# Altium PCB 1-quilter-input.PcbDoc (part 4 of 4)
Units mil, origin at the board's own origin, x right, y up, seen from the top; angles counter-clockwise.
Board outline 2728 x 2217 mil, 8 copper layers (L1_PS, L2_GND_1, L3_IN1, L4_GND_2, L5_PWR_1, L6_PWR_2, L7_GND_3, L8_SS), stack 46.1 mil thick; 230 components, 327 nets, 1592 pads, 586 vias.
Unrouted connection lines stored in the file: 713.
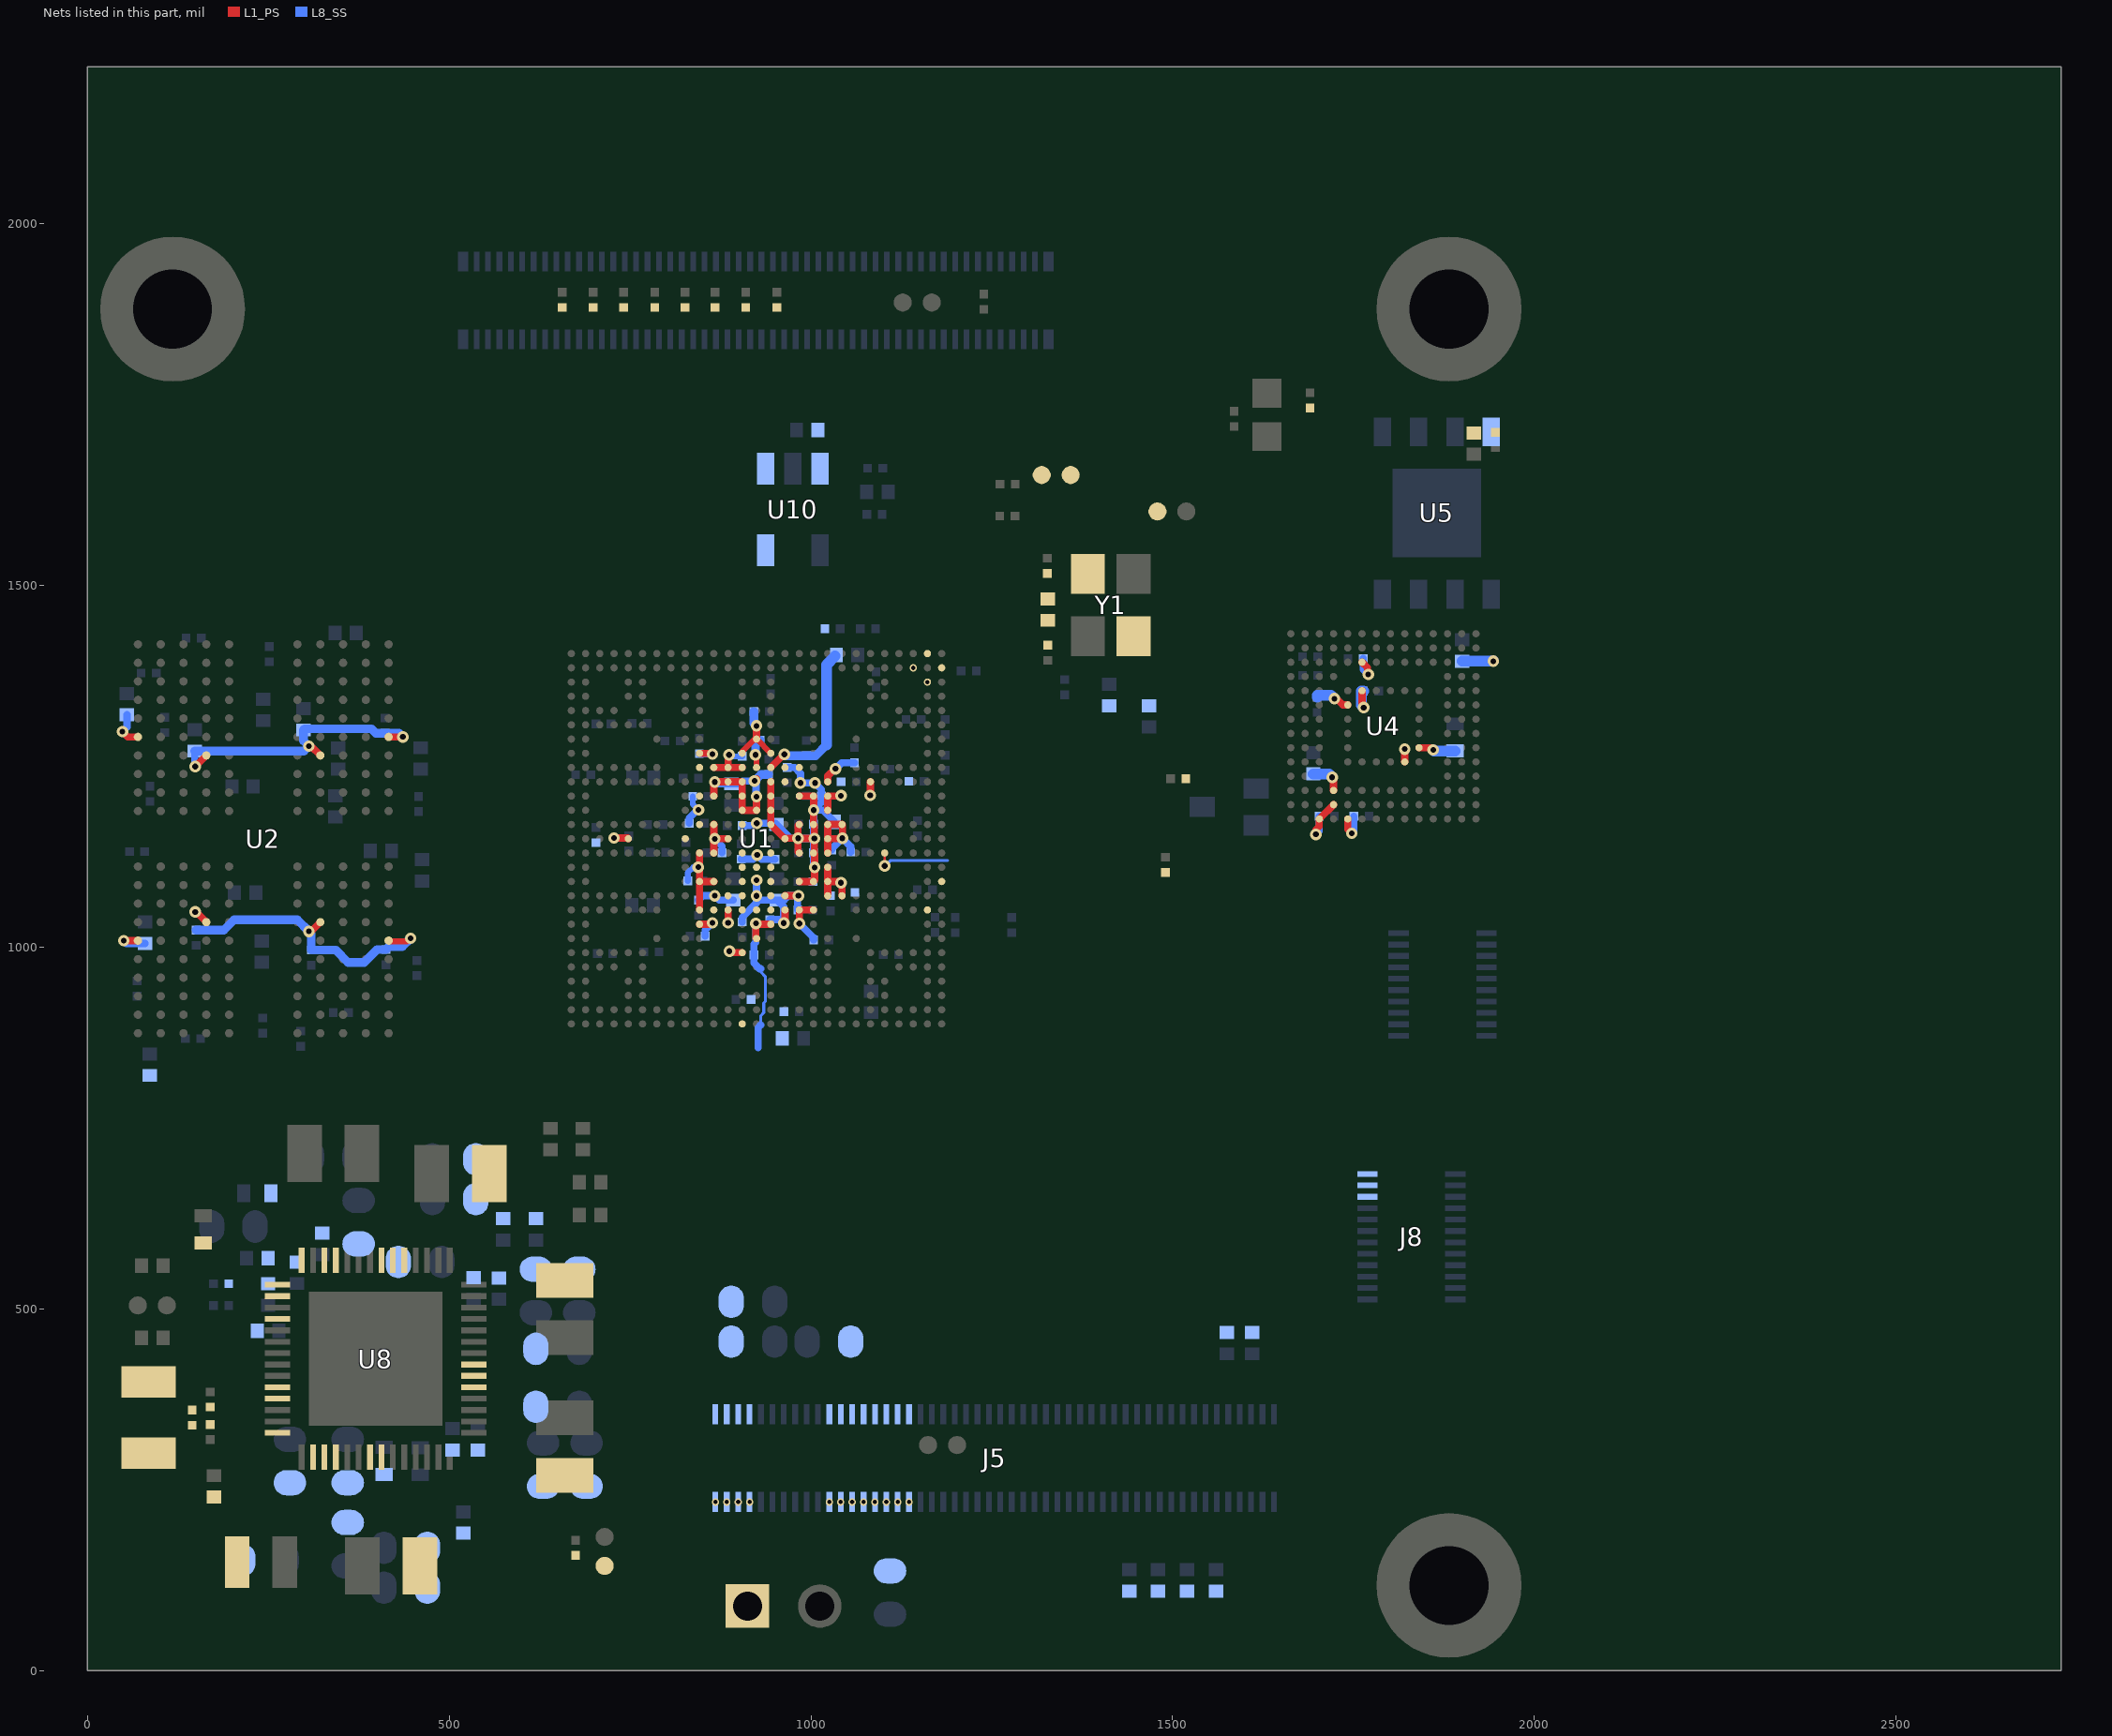
[diagram p5: the nets of this part, all layers, seen from the top]

## Via types
v1: diameter 16, hole 8, L1_PS to L8_SS, tented both sides, 329 vias
v2: diameter 10, hole 6, L1_PS to L8_SS, tented both sides, 205 vias
v3: diameter 16, hole 8, L1_PS to L8_SS, tented top, 52 vias

## Nets (pads, with @x,y where several pads share a name; then routed paths per layer and width w, separated by ;. In a path a pad name is that pad's centre, name@x,y a point inside that pad or via, vN(x,y) a via of type N, cw(c..) or ccw(c..) an arc to the next point about the centre after c; other vN are vias at no path point) (continued)
VDD_1V8: C3.1 C5.1 C21.1 C23.1 C105.1 C106.1 C108.1 C109.1 C130.1 C131.1 C132.1 C133.1 C138.1 C139.1 C241.1 C266.1 C317.1 C370.1 C371.1 C372.1 C384.1 C404.1 J5.22 J5.24 J5.26 J5.28 J5.30 J5.32 J5.34 J5.36 L13.2 R10.1 R11.1 R12.1 R13.1 R14.1 R15.1 R16.1 R17.1 R37.1 R47.2 R79.2 R106.1 R117.1 R118.1 U1.AB13 U1.J11 U1.J12 U1.J13 U1.L19 U1.M19 U1.T19 U1.U19 U1.V19 U1.V20 U1.W12 U2.F1 U2.F12 U2.G4 U2.G9 U2.T4 U2.T9 U2.U1 U2.U12 U4.C6 U4.M4 U4.N4 U4.P3 U4.P5 U5.8 U8.14 | length 1430.3
  L1_PS w8: U2.F1@416.56,1009.15 417.68,1008.03 442.48,1008.03 v1(446.83,1012.38)
  L1_PS w10: v1(48.72,1297.99) 56.06,1290.65 U2.U12@70.1,1290.65 ; v1(50.41,1009.15) U2.F12@70.1,1009.15 ; v1(149.27,1048.78) 150.55,1048.78 U2.G9@164.59,1034.74 ; v1(149.33,1249.8) U2.T9@164.59,1265.06 ; v1(306.32,1021.95) 309.28,1021.95 U2.G4@322.07,1034.74 ; v1(306.32,1277.85) 309.28,1277.85 U2.T4@322.07,1265.06 ; U2.U1@416.56,1290.65 v1(436.24,1290.65) ; U1.J11@865.83,1248.32 U1.J12@885.52,1248.32 ; U1.W12@885.52,1051.48 885.52,1033.7 v1(885.6,1033.62) ; v1(886.89,1265.9) 885.52,1264.53 U1.J12@885.52,1248.32 ; v1(887.49,994.6) 889.67,992.42 U1.AB13@905.21,992.42 ; U1.J13@905.21,1248.32 U1.J12@885.52,1248.32 ; U1.V19@1023.31,1071.16 U1.U19@1023.31,1090.84 ; U1.T19@1023.31,1110.53 U1.U19@1023.31,1090.84 ; U1.M19@1023.31,1189.27 U1.L19@1023.31,1208.96 1041.2,1208.96 v1(1041.61,1209.37) ; U1.V20@1043,1071.16 1043,1087.75 v1(1041.63,1089.12) 1039.91,1090.84 U1.U19@1023.31,1090.84 ; v1(1697.8,1156.02) 1697.8,1162.44 1702.6,1167.24 U4.P3@1702.6,1177.31 U4.N4@1722.28,1196.99 ; v1(1720.39,1234.85) 1722.28,1232.96 U4.M4@1722.28,1216.68 ; U4.P5@1741.97,1177.31 1741.97,1162.86 v1(1747.46,1157.37) ; U4.C6@1761.65,1393.84 1769.25,1386.24 1769.25,1378.09 v1(1770.27,1377.07)
  L8_SS w8: v1(886.89,1265.9) 888.98,1263.81 C5.1@905,1263.81
  L8_SS w10: v1(48.72,1297.99) 54.89,1304.16 C106.1@54.89,1321.14 ; v1(50.41,1009.15) 54.32,1005.24 C266.1@80,1005.24 ; C108.1@148.58,1271.07 148.58,1250.55 v1(149.33,1249.8) ; v1(1697.8,1156.02) 1702.49,1160.71 C133.1@1702.49,1181 ; v1(1747.46,1157.37) 1750.49,1160.4 C132.1@1750.49,1181 ; C131.1@1763.21,1399.15 1763.21,1384.13 v1(1770.27,1377.07)
  L8_SS w12: C108.1@148.58,1271.07 299.54,1271.07 v1(306.32,1277.85) 298.93,1285.24 C109.1@298.93,1300.23 300.53,1301.83 392.82,1301.83 398.93,1295.72 C384.1@411.64,1295.72 431.17,1295.72 v1(436.24,1290.65) ; C372.1@150.6,1023.53 188.64,1023.53 203.01,1037.9 290.37,1037.9 v1(306.32,1021.95) 309.5,1018.77 C371.1@309.5,996.14 343.46,996.14 360.49,979.11 382.82,979.11 400.46,996.75 C370.1@412.78,996.75 417.03,1001 435.45,1001 v1(446.83,1012.38)
  L8_SS w15: C130.1@1694.3,1239.43 1715.81,1239.43 v1(1720.39,1234.85) ; R37.1@1900,1395.24 v1(1943,1395.24)
  other v2: 1025.54,233.27 1041.29,233.27 1057.04,233.27 1072.79,233.27 1088.54,233.27 1104.28,233.27 1120.03,233.27 1135.78,233.27
VDD_3V3: C6.1 C8.1 C30.1 C127.1 C128.1 C129.1 C260.1 C264.1 C311.1 C312.1 C323.2 C403.1 C407.2 J5.21 J5.23 J5.25 J5.27 J5.29 J5.31 J5.33 J5.35 L11.2 R71.2 R72.2 R75.2 R76.2 R95.2 R97.2 R125.1 R146.1 U1.H10 U1.K19 U1.W17 U1.W18 U1.Y10 U4.E6 U4.F5 U4.J10 U4.K9 U8.21 U8.22 U10.1 U10.3 | length 371.2
  L1_PS w10: U1.Y10@846.15,1031.79 861.97,1031.79 v1(863.9,1033.72) ; U1.H10@846.15,1268.01 862.78,1268.01 v1(863.89,1266.9) ; v1(984.23,1032.76) 983.95,1033.04 U1.W17@983.95,1051.48 U1.W18@1003.63,1051.48 ; U1.K19@1023.31,1228.64 1023.31,1236.67 1033.31,1246.67 v1(1033.99,1246.67) ; v1(1723.44,1343.44) 1726.61,1343.44 1735.26,1334.79 U4.F5@1741.97,1334.79 ; U4.E6@1761.65,1354.47 1761.65,1337.53 1763.97,1335.21 v1(1763.97,1331.16) ; U4.K9@1820.71,1256.05 v1(1820.71,1273.9) ; U4.J10@1840.39,1275.73 1856.91,1275.73 v1(1859.98,1272.66)
  L8_SS w10: C8.1@845.89,1267.39 863.4,1267.39 v1(863.89,1266.9) ; C264.1@853.93,1015.27 853.93,1023.75 v1(863.9,1033.72) ; v1(984.23,1032.76) 1003.78,1013.21 C6.1@1003.78,1010.06 ; v1(1033.99,1246.67) 1034.43,1246.67 1042.76,1255 C30.1@1060.23,1255
  L8_SS w15: C128.1@1699.59,1345.4 1699.59,1348.39 1718.49,1348.39 v1(1723.44,1343.44) ; C129.1@1763.65,1354.01 1760.66,1354.01 1760.66,1334.47 v1(1763.97,1331.16) ; v1(1859.98,1272.66) 1861.34,1271.3 C127.1@1890,1271.3
VDD_ARM_0V9: C33.1 C35.1 C36.1 C248.1 C251.1 C253.1 C283.1 C287.1 L6.2 R140.1 R141.2 U1.R13 U1.R15 U1.T13 U1.T14 U1.T15 U1.U13 U1.U15 U1.V13 U1.V15 U1.V16 U1.W13 U1.W14 U1.W15 U1.W16 | length 294.4
  L1_PS w10: v1(962.53,1033.35) 964.26,1035.08 U1.W16@964.26,1051.48 ; U1.V16@964.26,1071.16 v1(982.84,1071.16)
  L8_SS w10: C35.1@903.85,1121.91 920.29,1121.91 v1(925.89,1127.51) 931.77,1121.63 C253.1@950.36,1121.63 ; C251.1@905.13,1034.88 905.13,1041.32 924.89,1061.08 v1(924.89,1070.98) ; v1(924.98,1092.68) 924.89,1092.59 v1(924.89,1070.98) ; C36.1@943.44,1038.17 957.71,1038.17 v1(962.53,1033.35) 962.53,1055.75 C33.1@953.1,1065.18 ; C248.1@981.72,1051.61 981.72,1070.04 v1(982.84,1071.16) 968.97,1071.16 962.99,1065.18 C33.1@953.1,1065.18 ; v1(924.89,1070.98) 930.69,1065.18 C33.1@953.1,1065.18
VDD_DRAM&PU_0V9: C20.1 C48.1 C54.1 C55.1 C61.1 C65.1 C74.1 C78.1 C303.1 C304.1 L10.2 R144.1 R145.2 U1.J10 U1.K12 U1.K13 U1.L10 U1.L11 U1.L13 U1.M13 U1.M14 U1.N10 U1.N11 U1.P9 U1.P12 U1.R10 U1.R11 U1.U10 U1.U11 U1.V12 U1.W10 U1.W11 | length 554.8
  L1_PS w10: U1.W10@846.15,1051.48 U1.U10@846.15,1090.84 ; U1.R10@846.15,1130.22 846.15,1112.36 v1(844.4,1110.61) 846.15,1108.86 U1.U10@846.15,1090.84 ; U1.U11@865.83,1090.84 U1.U10@846.15,1090.84 ; U1.R11@865.83,1130.22 865.83,1148.45 v1(867.14,1149.76) ; U1.N11@865.83,1169.58 865.83,1151.07 v1(867.14,1149.76) ; U1.L11@865.83,1208.96 865.83,1227.08 v1(867.15,1228.4) 867.39,1228.64 U1.K12@885.52,1228.64 U1.K13@905.21,1228.64 U1.L13@905.21,1208.96 U1.M13@905.21,1189.27 U1.M14@924.89,1189.27 v1(924.89,1208.1) ; U1.P12@885.52,1149.9 867.28,1149.9 v1(867.14,1149.76) ; v1(922.17,1229.81) v1@924.89,1232.53
  L8_SS w8: C61.1@829.94,1091.56 829.94,1103.11 837.44,1110.61 v1(844.4,1110.61) ; C78.1@836.76,1208.61 836.76,1197.85 v1(844.72,1189.89)
  L8_SS w10: C74.1@831.9,1171.19 831.9,1178.27 843.52,1189.89 v1(844.72,1189.89) ; C48.1@844.62,1065.03 850.75,1071.16 v1(867.31,1071.16) 873.3,1065.17 C55.1@892.54,1065.17 ; v1(867.14,1149.76) 877.33,1139.57 C54.1@877.33,1130.41 ; v1(867.15,1228.4) 869.77,1225.78 C20.1@890.07,1225.78 901.67,1225.78 905.69,1229.8 v1(922.17,1229.81) 924.29,1227.69 924.29,1208.7 v1(924.89,1208.1)
  L8_SS w12: v1(922.17,1229.81) 930.96,1238.6 C65.1@941.7,1238.6
VDD_PHY_0V9: C1.1 C360.1 U1.J14 U8.1 | length 41.3
  L1_PS w8: v1(923.47,1265.85) 924.89,1264.43 U1.J14@924.89,1248.32
  L8_SS w12: v1(923.47,1265.85) 923.47,1280.14 C1.1@929.78,1286.45
VDD_PHY_1V2: C244.1 C405.1 C408.1 U1.J15 U10.5 | length 219.1
  L1_PS w10: U1.J15@944.57,1248.32 962.86,1266.61 v1(963.4,1266.61)
  L8_SS w12: v1(963.4,1266.61) 965.29,1264.72 C244.1@993.88,1264.72 1006.62,1264.72 1021.62,1279.72
  L8_SS w15: 1021.62,1279.72 1021.62,1390.38 C405.1@1033.54,1402.3
VDD_SNVS_0V8: C9.1 C337.1 R113.1 U1.K22 U8.2 | length 19
  L1_PS w10: v1(1081.98,1209.79) 1082.37,1210.18 U1.K22@1082.37,1228.64
VDD_SOC_0V8: C15.1 C16.1 C234.2 C235.1 C247.1 C254.1 C255.1 C256.1 C275.1 C285.1 L5.2 R142.1 R143.2 U1.J16 U1.J17 U1.K15 U1.K16 U1.L15 U1.L17 U1.L18 U1.M15 U1.N13 U1.N15 U1.N17 U1.N18 U1.P16 U1.R17 U1.R18 U1.U17 U1.U18 | length 675.7
  L1_PS w10: U1.K15@944.57,1228.64 U1.L15@944.57,1208.96 U1.M15@944.57,1189.27 U1.N15@944.57,1169.58 U1.P16@964.26,1149.9 965.05,1150.69 v1(982.31,1150.69) ; U1.U17@983.95,1090.84 U1.U18@1003.63,1090.84 1005.14,1092.35 v1(1005.14,1110.33) 1005.14,1128.71 U1.R18@1003.63,1130.22 1004.84,1131.43 v1(1004.84,1150.24) ; U1.R17@983.95,1130.22 982.31,1131.86 v1(982.31,1150.69) ; U1.N17@983.95,1169.58 982.31,1167.94 v1(982.31,1150.69) ; U1.L17@983.95,1208.96 U1.L18@1003.63,1208.96 1003.82,1208.77 v1(1003.82,1189.45) 1003.63,1189.26 U1.N18@1003.63,1169.58 1004.84,1168.37 v1(1004.84,1150.24) ; v1(982.31,1150.69) 982.76,1150.24 v1(1004.84,1150.24)
  L8_SS w10: C16.1@905.26,1168.18 921.86,1168.18 v1(925.1,1171.42) 950.83,1171.42 C247.1@952.67,1169.58 971.56,1150.69 v1(982.31,1150.69) 982.76,1150.24 v1(1004.84,1150.24) ; C256.1@967.36,1248.35 977.44,1248.35 985.62,1240.17 v1(985.62,1227.04) 1005.51,1227.04 v1(1005.62,1226.93) 1014.65,1217.9 C235.1@1014.65,1209.18 1014.65,1200.28 v1(1003.82,1189.45) ; C15.1@1002.87,1090.78 1005.14,1093.05 v1(1005.14,1110.33) 1003.71,1111.76 C255.1@1003.71,1130.38 1003.71,1149.11 v1(1004.84,1150.24) ; C234.2@1032.67,1173.08 1016.3,1189.45 v1(1003.82,1189.45) ; v1(1003.82,1189.45) 1003.82,1170.18 C254.1@1003.69,1170.05 1003.69,1151.39 v1(1004.84,1150.24)
VDDA_1V8: C99.1 C100.1 C101.1 C104.1 C265.1 C267.1 C363.1 C400.1 U1.AA14 U1.G14 U1.H13 U1.H15 U1.N19 U1.N20 U1.P5 U1.P19 U1.R19 U1.Y15 U8.54 | length 488.5
  L1_PS w8: U1.H13@905.21,1268.01 905.21,1270.22 922.69,1287.7 U1.G14@924.89,1287.7 U1.H15@944.57,1268.01
  L1_PS w10: v1(727.89,1150.9) 746.73,1150.9 U1.P5@747.73,1149.9 ; U1.AA14@924.89,1012.1 924.02,1012.97 v1(924.02,1032.9) 925.13,1031.79 U1.Y15@944.57,1031.79 ; U1.G14@924.89,1287.7 v1(924.89,1305.9) ; U1.R19@1023.31,1130.22 U1.P19@1023.31,1149.9 ; U1.P19@1023.31,1149.9 U1.N19@1023.31,1169.58 U1.N20@1043,1169.58 1043.56,1169.02 v1(1043.56,1150.65) 1042.81,1149.9 U1.P19@1023.31,1149.9
  L8_SS w4: 930.63,892.63 930.63,905.28 934.89,909.54 934.89,922.89 937,925 937,959.64 930.63,966.02 930.63,966.72
  L8_SS w5: 930.63,966.72 930.63,970.26
  L8_SS w10: v1(924.02,1032.9) 924.02,1006.99 921.28,1004.25 921.28,988.54 921.15,988.41 921.15,978.23 929.12,970.26 930.63,970.26 ; 927,861.24 927,889 930.63,892.63 ; C101.1@1028.89,1134.41 1028.89,1135.98 v1(1043.56,1150.65) 1055.03,1139.18 C104.1@1055.03,1131.45
  L8_SS w12: C100.1@921.38,1325.9 921.38,1309.41 v1(924.89,1305.9)
VINT: C406.1 U8.4
VSYS_5V: C10.1 C11.1 C12.1 C13.1 C279.2 C281.2 C295.2 C301.2 C306.2 C307.2 C316.2 C401.2 C402.2 J5.1 J5.2 J5.3 J5.4 J5.5 J5.6 J5.7 J5.8 J6.1 U8.16 U8.17 U8.18 U8.33 U8.34 U8.35 U8.47 U8.48 U8.49 U8.53 U8.56
  other v2: 868.06,233.27 883.81,233.27 899.56,233.27 915.31,233.27
WDOG_B: R55.1 U1.AG13
WL_REG_ON: J8.6 U1.R23 | length 107.7
  L1_PS w3: v1(1102.05,1112.36) U1.R23@1102.05,1130.22
  L8_SS w4.1: v1(1102.05,1112.36) 1102.76,1112.36 1110.4,1120 1188.77,1120
WL_WAKE_DEV: J8.2 U1.U27
WL_WAKE_HOST: J8.4 U1.W26
XIN_32K: C298.1 QZ2.2 R57.1 U8.10
XOUT_32K: C299.1 QZ2.1 R57.2 U8.11
XTALI_24M: C123.1 R26.1 U1.B27 Y1.3
XTALI_32K: R100.2 U1.A26
XTALO_24M: C124.1 R26.2 U1.C26 Y1.1
  other v2: 1161.11,1366.44
XTALO_32K: R113.2 U1.B25
  other v2: 1141.43,1386.12
pads on no net: J4. J8.24 U1.AB6 U1.F6 U1.J5 U1.K5 U1.M1 U1.M2 U1.N1 U1.N6 U1.R2 U1.R6 U1.T1 U1.T2 U1.V5 U1.W5 U2.A1 U2.A2 U2.A11 U2.A12 U2.AA1 U2.AA12 U2.AB1 U2.AB2 U2.AB11 U2.AB12 U2.B1 U2.B12 U2.G11 U2.K5 U2.K8 U2.N5 U2.N8 U4.A1 U4.A2 U4.A7 U4.A8 U4.A9 U4.A10 U4.A11 U4.A12 U4.A13 U4.A14 U4.B1 U4.B7 U4.B8 U4.B9 U4.B10 U4.B11 U4.B12 U4.B13 U4.B14 U4.C1 U4.C3 U4.C5 U4.C7 U4.C8 U4.C9 U4.C10 U4.C11 U4.C12 U4.C13 U4.C14 U4.D1 U4.D2 U4.D3 U4.D4 U4.D12 U4.D13 U4.D14 U4.E1 U4.E2 U4.E3 U4.E5 U4.E8 U4.E9 U4.E10 U4.E12 U4.E13 U4.E14 U4.F1 U4.F2 U4.F3 U4.F10 U4.F12 U4.F13 U4.F14 U4.G1 U4.G2 U4.G3 U4.G10 U4.G12 U4.G13 U4.G14 U4.H1 U4.H2 U4.H3 U4.H12 U4.H13 U4.H14 U4.J1 U4.J2 U4.J3 U4.J12 U4.J13 U4.J14 U4.K1 U4.K2 U4.K3 U4.K6 U4.K7 U4.K10 U4.K12 U4.K13 U4.K14 U4.L1 U4.L2 U4.L3 U4.L12 U4.L13 U4.L14 U4.M1 U4.M2 U4.M3 U4.M7 U4.M8 U4.M9 U4.M10 U4.M11 U4.M12 U4.M13 U4.M14 U4.N1 U4.N3 U4.N6 U4.N7 U4.N8 U4.N9 U4.N10 U4.N11 U4.N12 U4.N13 U4.N14 U4.P1 U4.P2 U4.P7 U4.P8 U4.P9 U4.P10 U4.P11 U4.P12 U4.P13 U4.P14
copper on no net:
  other v1: 276.4,1100.82 766.88,1113.22 228,1180 765.6,1188.9 253.13,1204.68
  other v3: 240,1103

## Polygon pours and split planes (outlines as drawn)
GND on L5_PWR_1 "L5_PWR_1-GND" (solid, remove dead copper, shelved, pour order 58): 99.96,1979.89 2634.02,1979.89 cw(c2630.01,1900) 2710,1900 2710,95.99 cw(c2632,98) 2632,19.97 99.96,19.97 cw(c99.96,99.93) 20,99.93 20,1899.93 cw(c99.96,1899.93)
VDD_SOC_0V8 on L1_PS "TOP-VDD_SOC_0V8 1" (solid, remove dead copper, pour order 66): 960.89,1253.9 1004.89,1253.9 1010.89,1247.9 1010.89,1239.9 1013.89,1236.9 1013.89,1089.9 1008.89,1084.9 979.89,1084.9 976.89,1087.9 976.89,1091.9 981.89,1096.9 989.89,1096.9 995.89,1102.9 995.89,1120.9 991.89,1124.9 981.89,1124.9 942.99,1163.8 901.55,1163.8 898.97,1166.38 898.97,1173.47 904.12,1178.62 904.55,1178.19 932.26,1178.19 938.89,1184.82 938.89,1231.9
VDD_DRAM&PU_0V9 on L1_PS "TOP-VDD_DRAM&PU_0V9" (solid, remove dead copper, pour order 65): 837.89,1253.9 849.89,1253.9 853.89,1249.9 853.89,1242.9 857.89,1238.9 908.89,1238.9 918.89,1248.9 918.89,1251.9 921.89,1254.9 926.89,1254.9 933.89,1247.9 933.89,1188.9 928.89,1183.9 901.89,1183.9 898.89,1186.9 898.89,1215.9 893.89,1220.9 876.89,1220.9 874.89,1218.9 874.89,1207.9 870.89,1203.9 858.89,1203.9 854.89,1199.9 854.89,1178.9 859.89,1173.9 868.89,1173.9 874.89,1167.9 874.89,1160.9 879.89,1155.9 887.89,1155.9 890.89,1152.9 890.89,1145.9 887.89,1142.9 878.89,1142.9 870.89,1134.9 870.89,1126.9 867.89,1123.9 859.89,1123.9 853.89,1117.9 853.89,1101.9 858.89,1096.9 866.89,1096.9 890.89,1072.9 890.89,1067.9 868.89,1045.9 844.89,1045.9 839.89,1050.9 839.89,1102.9 835.89,1106.9 835.89,1115.9 840.89,1120.9 840.89,1137.9 834.89,1143.9 825.89,1143.9 821.89,1147.9 821.89,1154.9 825.89,1158.9 831.89,1158.9 835.89,1162.9 835.89,1184.9 835.89,1251.9
NVCC_DRAM_1V1 on L1_PS "TOP-NVCC_DRAM_1V1" (solid, remove dead copper, pour order 64): 797.89,1042.9 795.89,1044.9 795.89,1069.9 792.89,1072.9 792.89,1127.9 794.89,1129.9 794.89,1139.9 793.89,1140.9 765.89,1140.9 760.89,1145.9 760.89,1153.9 765.89,1158.9 792.89,1158.9 794.89,1160.9 794.89,1190.9 798.89,1194.9 798.89,1205.9 796.89,1207.9 796.89,1246.9 804.89,1254.9 816.89,1254.9 823.89,1261.9 832.89,1261.9 836.39,1258.4 836.39,1245.4 831.89,1240.9 831.89,1165.9 829.89,1163.9 821.89,1163.9 818.89,1160.9 818.89,1144.9 827.89,1135.9 829.89,1135.9 830.89,1134.9 830.89,1067.9 830.39,1067.4 830.39,1060.9 834.89,1056.4 834.89,1051.9 828.89,1045.9 815.89,1045.9 812.89,1042.9
VDD_ARM_0V9 on L1_PS "TOP-VDD_ARM_0V9" (solid, remove dead copper, pour order 63): 901.57,1135.79 947.21,1135.79 954.76,1128.24 954.76,1085.57 960.32,1080.01 987.56,1080.01 991.69,1075.88 991.69,1062.33 989.41,1060.05 974.3,1060.05 971.44,1057.19 971.44,1041.93 971.58,1041.79 971.58,1029.38 966.59,1024.39 958.32,1024.39 953.19,1029.52 953.19,1038.65 945.34,1046.5 902.27,1046.5 895.57,1053.2 895.57,1129.79
GND on L1_PS "TOP-GND 4" (solid, remove dead copper, pour order 62): 878.89,1214.9 887.89,1214.9 894.89,1207.9 894.89,1166.9 901.89,1159.9 942.89,1159.9 983.89,1118.9 985.89,1118.9 990.89,1113.9 990.89,1104.9 986.89,1100.9 978.89,1100.9 968.89,1090.9 968.89,1087.9 967.89,1086.9 961.89,1086.9 958.89,1089.9 958.89,1130.9 949.89,1139.9 900.89,1139.9 891.89,1130.9 891.89,1087.9 890.89,1086.9 882.89,1086.9 869.89,1099.9 863.89,1099.9 857.89,1105.9 857.89,1115.9 861.89,1119.9 871.89,1119.9 876.89,1124.9 876.89,1131.9 880.89,1135.9 885.89,1135.9 894.89,1144.9 894.89,1154.9 887.89,1161.9 884.89,1161.9 877.89,1168.9 877.89,1171.9 871.89,1177.9 863.89,1177.9 856.89,1184.9 856.89,1194.9 859.89,1197.9 872.89,1197.9 877.89,1202.9 877.89,1213.9
GND on L1_PS "TOP-GND 2" (solid, remove dead copper, pour order 61): 776.5,1048.5 780.89,1052.9 788.89,1052.9 793.89,1047.9 793.89,1039.91 793.9,1039.9 797.89,1035.9 812.89,1035.9 817.89,1040.9 829.89,1040.9 833.89,1036.9 833.89,1023.9 837.89,1019.9 845.89,1019.9 848.89,1016.9 848.89,1006.9 845.89,1003.9 827.89,1003.9 823.89,1007.9 808.89,1007.9 803.89,1002.9 782.1,1002.9 765,1020 765,1029 776.5,1040.5
GND on L1_PS "TOP-GND 3" (solid, remove dead copper, pour order 60): 997.57,1009.35 997.57,1038.43 1066.75,1038.43 1066.75,1009.35
GND on L1_PS "TOP-GND 1" (solid, remove dead copper, pour order 59): 957.89,1215.9 964.89,1215.9 980.89,1199.9 985.89,1199.9 990.89,1194.9 990.89,1184.9 986.89,1180.9 981.89,1180.9 965.89,1164.9 960.89,1164.9 955.89,1169.9 955.89,1213.9

## Keep-outs
Keep-Out Layer:
  region: 1960,220 2656,220 2656,880 1960,880

## Silkscreen, mask and mechanical layers (free items; w line width, h text height)
Top Overlay:
  circle w8: c955.92,431.2 r39
  lines w5: 1261.31,1687.3 1240,1687.3 1240,1552 1314,1552 ; 1322,1214 1322,909 1450,909 1450,1073 1325,1073 ; 1560,530 1655,530 1655,485 1605,485 ; 1314,1552 1316,1552 1341,1552 1341,1440 1314,1440 1314,1552 ; 1605,485 1605,575 1560,575 1560,485 1605,485 ; 1268,1317 1268,1379 1280,1379 1486,1379 1486,1336 1401,1336 1401,1287 1425,1287 1425,1224 1322,1224 1322,1317 1268,1317
  lines w8: 970.92,446.2 ccw(c955.92,430.2) 975.92,421.2
  text "GND" at 1545,1905 h30
  text "STATUS" at 1525,1805 h30
  text "ON_REQ" at 1227,1728 h30
  text "A1" at 654,1660 h30
  text "RSTB" at 1605,1660 h20
  text "1V8" at 2175,1660 h30
  text "QCLK" at 1605,1630 h20
  text "QDQ0" at 1710,1630 h20
  text "24M" at 1390,1615 h30
  text "GND" at 345,1605 h30
  text "32K" at 1300,1605 h30
  text "POR_B" at 1049,1601 h30
  text "ONOFF" at 1050,1549 h30
  text "LPDDR4" at 117,1514 h30
  text "CKIN1" at 1476,1228 h20 r90
  text "DA0" at 1395,1185 h20
  text "DQS" at 1375,1145 h20
  text "CKIN2" at 1292,1134 h20 r90
  text "CMD" at 1325,1115 h20
  text "CLK" at 1350,1085 h20
  text "eMMC" at 1735,990 h30
  text "CLK" at 1506,903 h20
  text "DA0" at 1396,823 h20
  text "CMD" at 1500,800 h20
  text "VREF" at 768,730 h30
  text "1V1" at 79,715 h30
  text "0V9" at 29,675 h30
  text "1V8" at 134,675 h30
  text "1V8" at 270,635 h20
  text "3V3/1V8" at 284,595 h20
  text "0V9" at 589,595 h30
  text "0V8" at 174,545 h30
  text "SMD" at 1545,490 h30 r90
  text "1V8" at 149,455 h30
  text "0V8" at 774,450 h30
  text "M.2" at 1570,440 h30
  text "2020 NXP B.V." at 1010.92,401.2 h35
  text "STBY" at 749,358 h20
  text "0V9" at 723,250 h30
  text "GND" at 955,245 h30
  text "3V3" at 373,240 h20
  text "8MMINILPD4-CPU2" at 1125,190 h35
  text "5V0" at 870,160 h30
  text "GND" at 985,160 h30
  text "WDOG" at 745,100 h20
  text "1V8" at 225,27 h30
  text "3V3" at 361,26 h30
Board Layer Stack Bottom Overlay:
  circle w4: c1088.5,679.88 r5
  circle w4: c1104.83,572.48 r2.6
  circle w4: c1104.83,572.48 r11.73
  lines w4: 1054.36,698.82 1198.7,550.21 ; 1063.16,551.34 1202.03,701.15 ; 1088,1091.87 1040.15,1091.87 ; 1093.23,673.22 1084.36,673.02 1174.9,673.02 ; 1093.23,674.08 1093.23,674.42 1101.03,586.48 ; 1117.56,569.94 1153.03,569.94 1153.03,578.21 1161.5,677.88 ; 1119,1091.87 1263.59,1091.87 1264,1227 1478,1227 1478,1137 1584,1137 1584,1018 1494,1018 1494,902 1417,902 1417,1014 1300,1014 1300,1056 1263,1056 1263,1092 ; 1143.5,563.21 1143.5,566.54 ; 1146.83,676.55 1146.83,686.55 ; 1040.15,1091.87 1017.46,1091.87 1017.46,1078.48 972.44,1078.48 972.44,1050.63 859.7,1050.63 859.7,1078.13 810.55,1078.13 810.55,1249.65 812.93,1249.65 907.8,1249.65 918,1250 918,1309 981,1309 981,1222 981.7,1220.77 1026.4,1220.77 1026.4,1196.37 1014.71,1196.37 1014.71,1145.5 1040.15,1145.5 1040.15,1091.87 ; 1046.83,539.88 1046.83,706.55 1213.5,706.55 1213.5,539.88 1046.83,539.88 ; 1083.49,650.75 1095.16,650.75 1094.36,663.42 1083.49,663.42 1083.49,650.75 ; 1094.7,680.09 cw(c1111.3,660.88) 1112.83,686.22 1094.7,680.08 ; 1111.16,640.68 1134.23,640.68 1134.23,646.88 1111.16,646.88 1111.16,640.68 ; 1113.23,684.28 1113.23,690.68 1136.3,690.68 1136.3,684.28 1113.23,684.28 ; 1136.9,686.55 cw(c1135.71,640.75) 1161.5,678.62 1136.9,686.55
  lines w5: 1457,835 1457,800 1522,800 1522,835 1487,835 ; 1487,835 1487,800 1422,800 1422,835 1487,835
  lines w5.33: 745.82,777.88 cw(c745.82,756.75) 761.82,770.55 ; 754.49,799.22 cw(c754.48,782.55) 759.16,798.55 ccw(c763.97,815.01) 763.16,797.88 ccw(c768.16,904.96) 773.16,797.88 ccw(c769.61,873.35) 789.82,800.56 cw(c797.6,772.48) 815.82,795.21 ; 761.83,770.55 ccw(c777.38,783.95) 766.49,766.55 790.49,758.55 cw(c790.49,741.87) 807.16,742.55 ccw(c810.98,743.99) 813.16,740.54 813.83,741.88 ccw(c803.63,746.98) 813.17,753.22 ccw(c696.75,676.67) 808.49,759.88 ccw(c792.1,747.67) 795.16,767.88 ; 809.17,776.56 ccw(c922.88,920.99) 819.17,769.22 ccw(c823.89,776.15) 822.5,767.88 826.5,767.22 cw(c733.83,798.94) 824.49,761.88 ccw(c833.9,758) 823.82,756.55 ; 815.83,795.21 cw(c809.25,786.99) 819.16,790.55 ccw(c828.22,793.76) 823.83,785.21 827.16,782.55 831.16,779.22 cw(c823.9,770.5) 835.17,771.89 835.16,771.22 834.5,768.55 833.83,764.55 833.16,759.22 833.16,750.55 cw(c817.08,750.55) 828.49,739.22 cw(c826.16,741.66) 823.16,743.21 825.16,747.21 823.83,756.55
  lines w6.66: 709.82,715.88 836.5,797.22 ; 877.16,715.88 711.82,715.88 793.83,881.89 877.83,715.88
  lines w8: 2053,1121 2715,1121 2715,955 2054,955 2054,1121 ; 2015,40 2015,210 2025,210 2670,210 2670,40 2015,40 ; 2053,1130 2053,1295 2720,1295 2720,1130 2053,1130
  text "8MMINILPD4-CPU2" at 2690,1735 h50
  text "QSPI" at 1706,1588 h30
  text "PHY_1V2" at 987,1436 h20
  text "GND" at 615,1265 h30
  text "SCH-47712 REV A" at 2580,1217 h30
  text "700-47712 REV A" at 2580,1034 h30
  text "SMD" at 1477,841 h20
  text "M.2" at 1524,775 h20
  text "GND" at 1058.55,132.19 h30
  text "5V0" at 949.98,131.29 h30
  text "S/N" at 2640,100 h63
Top Solder:
  lines w25: 30,733.03 30,133.03 cw(c30,132.94) 30.09,132.94 30.09,98.36 ccw(c99.45,98.36) 99.45,29 1729,29
  text "i.MX 8M MINI" at 1085.29,68.77 h50
Board Layer Stack Bottom Solder:
  lines w25: 30,733.03 30,133.03 cw(c30,132.94) 30.09,132.94 30.09,98.36 ccw(c99.45,98.36) 99.45,29 1729,29
Dimension:
  region: 0.88,2040.03 2000,2040.03 2730.84,2040.03 2730.84,2240.3 2000,2240.3 0.88,2240.3
  region: -0.48,-240.24 1997.27,-240.24 2730.84,-240.24 2730.84,-39.97 1997.27,-39.97 -0.48,-39.97
  lines w1: -1522.63,-534.96 -656.44,-534.96 6.27,23.26 ; -810,0.12 -4.18,0.12 ; -810,2000.03 51.11,2000.03 ; -710,783.75 -710,0.12 ; -710,1096.25 -710,2000.03 ; -678,877.5 -724.5,877.5 -724.5,1002.5 -678,1002.5 ; -120,877.5 -73.5,877.5 -73.5,1002.5 -120,1002.5 ; 0.07,1992.22 0.07,2545 ; 679.75,2445 0.07,2445 ; 1442,2382.5 1395.5,2382.5 1395.5,2507.5 1442,2507.5 ; 2000,2382.5 2046.5,2382.5 2046.5,2507.5 2000,2507.5 ; 2140.25,2445 2730,2445 ; 2730,2000.03 2730,2545 ; 3610,1610 3050,1610 2686.87,1745 ; 3987.22,493.36 3229.43,494.31 2684.21,494.31 ; -710,0.12 -735,150.12 -685,150.12 -710,0.12 ; -710,2000.03 -685,1850.03 -735,1850.03 -710,2000.03 ; 0.07,2445 150.07,2470 150.07,2420 0.07,2445 ; 6.27,23.26 -92.35,-92.5 -124.56,-54.25 6.27,23.26 ; 2684.21,494.31 2834.21,519.31 2834.21,469.31 2684.21,494.31 ; 2686.87,1745 2836.18,1716.16 2818.76,1669.3 2686.87,1745 ; 2730,2445 2580,2420 2580,2470 2730,2445 ; 0.07,100.03 ccw(c100.07,100.03) 100.07,0.03 1799.96,0.03 cw(c1760.61,-91.89) 1800.03,0 2600,0 2630,0 ccw(c2630,100) 2730,100 2730,1900.03 ccw(c2630,1900.03) 2630,2000.03 2600,2000.03 1900,2000.03 100.07,2000.03 ccw(c100.07,1900.03) 0.07,1900.03 0.07,100.03
  text "2.73" at 773.5,2382.5 h125
  text "69.3" at 1488.5,2382.5 h125
  text "BOARD" at 744.18,2124.35 h50
  text "EDGE" at 1103,2121.86 h50
  text "2.00" at -1346.5,877.5 h125
  text "50.8" at -631.5,877.5 h125
  text "TRACE ON TOP,WIDTH 11 MIL  50OHM (WIFI)" at 2778.59,561.99 h50
  text "EDGE" at 1127.14,-169.03 h50
  text "BOARD" at 746.32,-170.54 h50
  text "PRIMARY DATUM" at -1423.71,-403.76 h50
  text "GRID ORIGIN" at -1423.96,-507.6 h50
Fab Notes:
  drawing of 255 lines, arcs and shapes, not listed
  text "1. THIS DRAWING SPECIFIES THE REQUIREMENTS FOR A" at -10326.01,11281.66 h94
  text "PRINTED WIRING BOARD IN ACCORDANCE" at -6026.01,11281.66 h94
  text "WITH SPECIFICATION IPC-A-600 CLASS 2 (LATEST REVISION)." at -10316.01,11081.66 h94
  text "2. THE PWB MUST BE LEAD FREE ASSEMBLY PROCESS COMPATIBLE AND MUST BE ABLE TO HANDLE" at -10326.01,10681.66 h94
  text "A MINIMUM OF 5 CYCLES AT 260 DEGREES CELSIUS FOR 10 SECONDS." at -10226.01,10481.66 h94
  text "3. BASE MATERIAL - LAMINATE AND PREPREG SHALL MEET IPC-4101B-26, 83 or 98" at -10326.01,10081.66 h94
  text "Tg - MUST BE GREATER THAN OR EQUAL TO 150 DEGREES CELSIUS." at -8481.01,9881.66 h94
  text "Td - MUST BE GREATER THAN OR EQUAL TO 330 DEGREES CELSIUS." at -8481.01,9681.66 h94
  text "4. COPPER FOIL WEIGHT - SEE STACKUP DETAIL 'A'" at -10326.01,9281.66 h94
  text "5. CHARACTERISTIC IMPEDANCE - SEE DETAIL 'B'" at -10326.01,8881.66 h94
  text "8" at 11442.5,8484.67 h94
  text "6. MINIMUM CONDUCTIVE WIDTH/SPACING TO BE .003\"/.003\"" at -10326.01,8481.66 h94
  text "8" at 11444.5,8173.67 h94
  text "7. PLATING FINISH - BOTH SIDES ENIG (ELECTROLESS NICKEL IMMERSION GOLD):" at -10326.01,8081.66 h94
  text ".05080-.232 MICRON (2-8 MICROINCH) OF GOLD OVER" at -8506.01,7881.66 h94
  text "2.540-6.350 MICRON (100-250 MICROINCH) OF NICKEL." at -8761.01,7681.66 h94
  text "8. ALL THROUGH HOLE VIAS MAY BE PLATED SHUT." at -10326.01,7281.66 h94
  text "9. SOLDERMASK - BLACK COLOR (TAIYO OR EQUIVALENT), BOTH SIDES." at -10326.01,6881.66 h94
  text "MODIFICATION OF SOLDERMASK IS NOT ALLOWED WITHOUT WRITTEN PERMISSION FROM FREESCALE." at -10321.01,6681.66 h94
  text "10. SILKSCREEN - WHITE EPOXY INK, BOTH SIDES.  NO SILK ON PADS." at -10326.01,6281.66 h94
  text "11. ELECTRICAL TEST - 100% IPCD356.PCB FABRICATOR TO PERFORM A NET COMPARE AGAINST THE IPCD356 NETLIST PROVIDED BY NXP." at -10326.01,5881.66 h94
  text "12. PRINTED WIRING BOARD IS TO BE INDIVIDUALLY BAGGED." at -10326.01,5481.66 h94
  text "13. DRC'S MUST BE RUN ON THE GERBER BEFORE BUILDING BOARDS," at -10326.01,5081.66 h94
  text "UNLESS PRIOR APPROVAL IS GIVEN IN WRITING BY FREESCALE." at -10326.01,4881.66 h94
  text "14. TEARDROPS MAYBE ADDED AT THE FAB HOUSE TO ALL SIGNAL LAYERS." at -10326.01,4481.66 h94
  text "15. 2 SOLDER SAMPLES TO BE PROVIDED." at -10326.01,4081.66 h94
  text "16. BASIC GRID INCREMENT AT 1:1 IS .0001." at -10327.01,3680.66 h94
  text "17. SUPPLIER MARKINGS - ON SOLDER SIDE ONLY, WHERE SHOWN." at -10327.01,3280.66 h94
  text "- MUST BE UL RECOGNIZED AND MUST HAVE AN ID THAT CONFORMS TO UL94V-0" at -8306.01,3081.66 h94
  text "18. THE PWB WILL BE MARKED AS LEAD FREE BY USE OF AN INK STAMP Pb" at -10326.01,2681.66 h94
  text "THE TOTAL THICKNESS:" at 11460.81,2582.03 h225
  text "1.2MM +/- 10%" at 16225.3,2557.38 h225
  text "19. THE PWB WILL BE MARKED AS LEAD FREE PROCESS COMPATIBLE BY USE OF AN INK STAMP 260 C" at -10326.01,2281.66 h94
  text "DIELECTRIC" at 16819.28,1902.59 h75
  text "20. ALL PLATED AND NON-PLATED THROUGH HOLES ARE TO BE DRILLED AT PRIMARY DRILL STEP." at -9629.41,1881.66 h94
  text "LAYERS STACKUP" at 11302.28,1826.37 h94
  text "LAYER" at 13243.4,1826.37 h94
  text "MATERIAL" at 13895.57,1826.37 h94
  text "THICKNESS" at 14677.27,1826.37 h94
  text "LAYER TYPE" at 15602.35,1826.37 h94
  text "LOSS TANGENT" at 18019.28,1802.59 h75
  text "17" at 3208.5,1705.66 h94
  text "CONSTANT" at 16819.28,1702.59 h75
  text "ALL HOLE LOCATION TOLERANCES ARE TO BE +/-.002 IN REFERENCE TO THE PRIMARY DATUM." at -9286.61,1681.66 h94
  text "COPPER" at 14015.2,1353.93 h94
  text "ROUTING" at 15707.35,1353.93 h94
  text "1 OZ" at 14795.11,1349.98 h94
  text "TOP" at 11680.01,1314.56 h94
  text "TOP" at 13254.81,1314.56 h94
  text "21. FINISHED PCB MUST BE PANELIZED FOR ASSEMBLY ACCORDING TO CONTRACT MANUFACTURERS REQUIREMENTS." at -10326.01,1281.66 h94
  text "THE ADDITION OF RAILS AND .125' NON-PLATED TOOLING HOLES ARE AT THE DISCRETION OF" at -9956.01,1081.66 h94
  text "TU768" at 14120.2,1038.97 h94
  text "2.77MIL" at 14795.11,1033.11 h94
  text "3.9" at 16818.98,1022.11 h94
  text "0.02" at 18204.89,1022.11 h94
  text "PREPREG" at 13064,1010 h94
  text "PREPREG" at 11499.71,999.6 h94
  text "CONTRACT MANUFACTURER.PANELIZATION MUST BE APPROVED BY CONTRACT MANUFACTURER." at -9956.01,881.66 h94
  text "COPPER" at 14015.2,726.37 h94
  text "PLANE" at 15777.35,724.01 h94
  text "1 OZ" at 14795.11,707.01 h94
  text "L2 INNER" at 13018,695.04 h94
  text "L2 INNER" at 11454.63,684.64 h94
  text "TU768" at 14120.2,411.41 h94
  text "CORE" at 11670.96,408.22 h94
  text "3.94MIL" at 14795.11,394.11 h94
  text "CORE" at 13221.85,391.72 h94
  text "4.25" at 16818.98,383.11 h94
  text "0.02" at 18204.89,383.11 h94
  text "1 OZ" at 14795.11,102.01 h94
  text "COPPER" at 14015.2,96.45 h94
  text "ROUTING" at 15733.03,80.36 h94
  text "L3 INNER" at 13018,65.11 h94
  text "L3 INNER" at 11454.63,54.72 h94
  text "TU768" at 14120.2,-218.51 h94
  text "5.04MIL" at 14795.11,-240.29 h94
  text "PREPREG" at 13064,-249.85 h94
  text "3.9" at 16818.98,-251.29 h94
  text "0.02" at 18204.89,-251.29 h94
  text "PREPREG" at 11499.71,-260.24 h94
  text "16" at -1239,-268 h94
  text "PLANE" at 15782.03,-532.34 h94
  text "COPPER" at 14015.2,-533.47 h94
  text "1 OZ" at 14795.11,-541.99 h94
  text "L4 INNER" at 13018,-564.81 h94
  text "L4 INNER" at 11454.63,-575.2 h94
  text "THIS BOARD WAS DESIGNED FOR MAXIMUM FLEXIBILITY IN SOFTWARE DEVELOPMENT AND DEMONSTRATES" at -10594.28,-691.69 h94
  text "CORE" at 11500.47,-851.2 h94
  text "CORE" at 13243.85,-851.2 h94
  text "TU768" at 14120.2,-855.64 h94
  text "12MIL" at 14795.11,-872.19 h94
  text "4.25" at 16818.98,-883.19 h94
  text "0.02" at 18204.89,-883.19 h94
  text "MULTIPLE FUNCTIONS POSSIBLE WITH I.MX PROCESSORS. ALTHOUGH BEST DESIGN PRACTICES HAVE" at -10555.79,-922.68 h94
  text "PLANE" at 15777.35,-1164.63 h94
  text "1 OZ" at 14795.11,-1167.99 h94
  text "COPPER" at 14015.2,-1183.35 h94
  text "L5 INNER" at 13018,-1194.73 h94
  text "L5 INNER" at 11454.63,-1205.13 h94
  text "BEEN APPLIED,SOME AREAS MAY NOT BE SUITABLE FOR A MASS-PRODUCTION DESIGN" at -10555.79,-1214.16 h94
  text "TU768" at 14120.2,-1473.63 h94
  text "5.54MIL" at 14795.11,-1476.29 h94
  text "3.9" at 16818.98,-1487.29 h94
  text "0.02" at 18204.89,-1487.29 h94
  text "PREPREG" at 13064,-1509.69 h94
  text "PREPREG" at 11499.71,-1520.09 h94
  text "1 OZ" at 14795.11,-1758.99 h94
  text "PRELIMINARY -SUBJECT TO CHANGE" at -10591.29,-1797.43 h94
  text "COPPER" at 14015.2,-1810.75 h94
  text "ROUTING" at 15707.35,-1810.75 h94
  text "L6 INNER" at 13018,-1824.65 h94
  text "L6 INNER" at 11454.63,-1835.05 h94
  text "NXP CONFIDENTIAL AND PROPRIETARY" at -10591.29,-2031.43 h94
  text "CORE" at 11648.96,-2116.11 h94
  text "TU768" at 14120.2,-2119.74 h94
  text "3.94MIL" at 14795.11,-2119.89 h94
  text "CORE" at 13265.85,-2127.11 h94
  text "4.25" at 16818.98,-2130.89 h94
  text "0.02" at 18204.89,-2130.89 h94
  text "COPPER" at 14015.2,-2419.33 h94
  text "PLANE" at 15777.35,-2428.74 h94
  text "1 OZ" at 14795.11,-2447.99 h94
  text "L7 INNER" at 13018,-2454.57 h94
  text "L7 INNER" at 11454.63,-2464.97 h94
  text "DETAIL B" at 3330.94,-2595.79 h125
  text "2.77MIL" at 14795.11,-2735.59 h94
  text "3.9" at 16818.98,-2746.59 h94
  text "0.02" at 18204.89,-2746.59 h94
  text "TU768" at 14120.2,-2756.45 h94
  text "PREPREG" at 13064,-2769.53 h94
  text "PREPREG" at 11499.71,-2779.93 h94
  text "IMPEDANCE REQUIREMENTS" at 2646.94,-2807.79 h125
  text "IMPEDANCE TOLERANCE IS 10%" at 2446.94,-3007.79 h125
  text "1 OZ" at 14795.11,-3045.99 h94
  text "COPPER" at 14015.2,-3046.63 h94
  text "ROUTING" at 15707.35,-3084.16 h94
  text "L8 BOTTOM" at 11345.13,-3105.91 h94
  text "L8 BOTTOM" at 12998.67,-3105.91 h94
  text "Single Ended" at -525.06,-3303.79 h94
  text "Differential" at 4020.94,-3311.79 h94
  text "DETAIL A" at 14780,-3500 h125
  text "Impedance" at 2589.94,-3504.79 h63
  text "Impedance" at 5089.94,-3504.79 h63
  text "Impedance" at 7789.94,-3504.79 h63
  text "Impedance" at 159.94,-3509.79 h63
  text "Layers" at -1479.06,-3511.79 h94
  text "Trace Spacing" at 1670.94,-3511.79 h63
  text "Trace Spacing" at 4170.94,-3511.79 h63
  text "Trace Spacing" at 6870.94,-3511.79 h63
  text "Trace Width" at -675.06,-3519.79 h63
  text "Trace Width" at 884.94,-3519.79 h63
  text "Trace Width" at 3384.94,-3519.79 h63
  text "Trace Width" at 6084.94,-3519.79 h63
  text "(Mils)" at -629.06,-3611.79 h80
  text "(Ohms)" at 170.94,-3611.79 h63
  text "(Mils)" at 920.94,-3611.79 h63
  text "\"Airgap\"" at 1670.94,-3611.79 h63
  text "(Ohms)" at 2620.94,-3611.79 h63
  text "(Mils)" at 3420.94,-3611.79 h63
  text "\"Airgap\"" at 4170.94,-3611.79 h63
  text "(Ohms)" at 5120.94,-3611.79 h63
  text "(Mils)" at 6120.94,-3611.79 h63
  text "\"Airgap\"" at 6870.94,-3611.79 h63
  text "(Ohms)" at 7820.94,-3611.79 h63
  text "(Mils)" at 1858.94,-3726.79 h63
  text "(Mils)" at 4358.94,-3726.79 h63
  text "(Mils)" at 7058.94,-3726.79 h63
  text "3.6" at 3750.9,-3899.27 h80
  text "L1_TOP" at -1394.61,-3900.36 h80
  text "90" at 5280.92,-3907.17 h80
  text "4.2" at 1145.73,-3909.98 h80
  text "3" at 6364.72,-3910.47 h80
  text "4.1" at -469.57,-3911.67 h80
  text "4.8" at 2018.36,-3913.88 h80
  text "4.9" at 4450.9,-3914.27 h80
  text "85" at 2836.2,-3914.59 h80
  text "50" at 489.66,-3919.26 h80
  text "6" at 7158.21,-3936.47 h80
  text "100" at 7958.63,-3936.79 h80
  text "11" at -432,-4097.67 h80
  text "50" at 484.66,-4117.26 h80
  text "3.2" at -426.86,-4480.19 h80
  text "L3_IN1" at -1431.53,-4491.86 h80
  text "50" at 473.14,-4495.19 h80
  text "50" at 473.66,-5105.82 h80
  text "6" at 7045.46,-5108.1 h80
  text "4.1" at -459.66,-5113.04 h80
  text "3.6" at 3633.5,-5113.19 h80
  text "3" at 6251.97,-5115.09 h80
  text "L8_BOTTOM" at -1529.25,-5117.52 h80
  text "90" at 5170.93,-5121.1 h80
  text "85" at 2655.06,-5126.24 h80
  text "4.2" at 1056.04,-5128.23 h80
  text "4.9" at 4333.5,-5128.19 h80
  text "4.8" at 1911.49,-5129.17 h80
  text "100" at 7848.64,-5128.72 h80
Sheet:
  drawing of 2535 lines, arcs and shapes, not listed
  text "F.L." at 21016.65,12572.59 h100
  text "A" at 15181.65,12567.59 h125
  text "A" at 15181.65,12567.59 h125
  text "09-03-20" at 19736.65,12567.59 h100
  text "170-47712" at 14341.65,-4992.41 h175
  text "THIS DOCUMENT CONTAINS INFORMATION" at 13896.65,-5197.41 h63
  text "___ COMPANY PUBLIC" at 11051.65,-5232.41 h63
  text "NXP SEMICONDUCTORS" at 17083.65,-5277.41 h225
  text "PROPRIETARY TO NXP AND SHALL NOT" at 13896.65,-5322.41 h63
  text "BE USED FOR ENGINEERING DESIGN" at 13896.65,-5447.41 h63
  text "___ COMPANY INTERNAL" at 11051.65,-5532.41 h63
  text "X" at 11091.65,-5532.41 h100
  text "PROCUREMENT OR MANUFACTURE IN WHOLE" at 13896.65,-5572.41 h63
  text "OR IN PART WITHOUT THE CONSENT OF" at 13896.65,-5697.41 h63
  text "NXP." at 13896.65,-5822.41 h63
  text "___ COMPANY CONFIDENTIAL" at 11051.65,-5832.41 h63
  text "6501 WILLIAM CANNON DRIVE WEST  AUSTIN, TEXAS 78735 USA" at 16486.65,-5877.41 h94
  text "ALL PARTS, MATERIALS AND FINISHED" at 8623.65,-6149.41 h63
  text "ASSEMBLY SHALL MEET THE RoHS" at 8623.65,-6233.41 h63
  text "PRINTED WIRING BOARD" at 17416.65,-6287.41 h175
  text "COMMISSION DELEGATED DIRECTIVE (EU)" at 8623.65,-6317.41 h63
  text "2015/863 OF 31 MARCH  2015 AMENDING" at 8623.65,-6401.41 h63
  text "STACY CUI" at 13900.65,-6465.41 h100
  text "09-03-20" at 15546.65,-6465.41 h100
  text "ANNEX II TO DIRECTIVE 2011/65/EU. A" at 8623.65,-6485.41 h63
  text "CERTIFICATE OF COMPLIANCE IS" at 8623.65,-6569.41 h63
  text "8MMINILPD4-CPU2" at 17979.65,-6626.41 h175
  text "REQUIRED UPON REQUEST." at 8623.65,-6653.41 h63
  text "LEO PAN" at 13900.65,-6885.41 h100
  text "09-03-20" at 15541.65,-6885.41 h100
  text "ALL PARTS, MATERIALS AND FINISHED" at 8599.65,-7108.41 h63
  text "ASSEMBLY SHALL NOT CONTAIN ANY OF" at 8599.65,-7192.41 h63
  text "LAY-47712" at 16868.65,-7196.41 h125
  text "FAB-47712" at 18837.65,-7221.41 h175
  text "A" at 21319.5,-7269.44 h175
  text "THE SUBSTANCES OF VERY HIGH CONCERN" at 8599.65,-7276.41 h63
  text "FRANK LIU" at 13900.65,-7280.41 h100
  text "09-03-20" at 15536.65,-7280.41 h100
  text "(SVHC) ABOVE THE THRESHOLD VALUE PER" at 8599.65,-7360.41 h63
  text "THE CURRENT ECHA LIST OF SVHC'S AND" at 8599.65,-7444.41 h63
  text "WITH ANNEX XIV AND ANNEX XVII OF REACH" at 8599.65,-7523.41 h63
  text "DIRECTIVE 76/769/EEC. A CERTIFICATE OF" at 8599.65,-7607.41 h63
  text "COMPLIANCE IS REQUIRED UPON REQUEST." at 8599.65,-7691.41 h63
  text "1" at 21151.5,-7702.5 h125
  text "NONE" at 16863.5,-7709.5 h125
  text "1" at 20430.5,-7709.5 h125
Drill Drawing:
  circle w1: c12150.74,7937.14 r60
  circle w1: c12150.74,8437.14 r60
  lines w1: 11701.24,7312.14 18676.24,7312.14 ; 11701.24,7562.14 18676.24,7562.14 ; 11701.24,7812.14 18676.24,7812.14 ; 11701.24,8062.14 18676.24,8062.14 ; 11701.24,8312.14 18676.24,8312.14 ; 11701.24,8562.14 18676.24,8562.14 ; 11701.24,8812.14 18676.24,8812.14 ; 11701.24,9062.14 18676.24,9062.14 ; 12090.74,8187.14 12210.74,8187.14 ; 12150.74,8127.14 12150.74,8247.14 ; 12600.24,7062.14 12600.24,8812.14 ; 14615.24,7062.14 14615.24,8812.14 ; 16630.24,7062.14 16630.24,8812.14 ; 17901.24,7062.14 17901.24,8812.14 ; 11701.24,7062.14 18676.24,7062.14 18676.24,9312.14 11701.24,9312.14 11701.24,7062.14 ; 12060.74,7672.14 ccw(c12150.74,7672.14) 12240.74,7672.14 12240.74,7702.14 ccw(c12150.74,7702.14) 12060.74,7702.14 12060.74,7672.14 ; 12090.74,7127.14 12090.74,7247.14 12210.74,7247.14 12210.74,7127.14 12090.74,7127.14 ; 12090.74,7377.14 12090.74,7497.14 12210.74,7497.14 12210.74,7377.14 12090.74,7377.14
  text "DRILL CHART: TOP to BOTTOM" at 13888.74,9124.64 h125
  text "ALL UNITS ARE IN MILS" at 14138.74,8874.64 h125
  text "FIGURE" at 11850.74,8624.64 h125
  text "FINISHED_SIZE" at 12957.74,8624.64 h125
  text "TOLERANCE_DRILL" at 14872.74,8624.64 h125
  text "PLATED" at 16965.74,8624.64 h125
  text "QTY" at 18138.74,8624.64 h125
  text "8.0" at 13457.74,8374.64 h125
  text "+0.0/-8.0" at 15172.74,8374.64 h125
  text "PLATED" at 16965.74,8374.64 h125
  text "1125" at 18088.74,8374.64 h125
  text "8.0" at 13457.74,8124.64 h125
  text "+0.0/-8.0" at 15172.74,8124.64 h125
  text "PLATED" at 16965.74,8124.64 h125
  text "189" at 18138.74,8124.64 h125
  text "40.0" at 13407.74,7874.64 h125
  text "+3.0/-3.0" at 15172.74,7874.64 h125
  text "PLATED" at 16965.74,7874.64 h125
  text "2" at 18238.74,7874.64 h125
  text "109.0" at 13357.74,7624.64 h125
  text "+3.0/-3.0" at 15172.74,7624.64 h125
  text "PLATED" at 16965.74,7624.64 h125
  text "3" at 18238.74,7624.64 h125
  text "35.0" at 13407.74,7374.64 h125
  text "+1.0/-1.0" at 15172.74,7374.64 h125
  text "NON-PLATED" at 16765.74,7374.64 h125
  text "2" at 18238.74,7374.64 h125
  text "64.0" at 13407.74,7124.64 h125
  text "+2.0/-2.0" at 15172.74,7124.64 h125
  text "NON-PLATED" at 16765.74,7124.64 h125
  text "4" at 18238.74,7124.64 h125
Top Designator:
  lines w1: -25,0 25,0 ; 0,-25 0,25

## Text inside footprints (layer, text, board x,y; h text height)
BH1: Bottom Designator "1" at 1878.85,1881.82 h10; Top Pin Number "1" at 1879.47,1871.82 h20
BH2: Bottom Designator "1" at 1878.85,118.04 h10; Top Pin Number "1" at 1879.47,108.04 h20
BH3: Bottom Designator "1" at 115.07,1881.82 h10; Top Pin Number "1" at 115.69,1871.82 h20
C20: Bottom Pin Number "2" at 890.07,1206.26 h25 r270; Bottom Pin Number "1" at 890.07,1235.78 h25 r270
C33: Bottom Pin Number "2" at 953.1,1084.7 h25 r90; Bottom Pin Number "1" at 953.1,1055.18 h25 r90
C55: Bottom Pin Number "2" at 892.54,1084.69 h25 r90; Bottom Pin Number "1" at 892.54,1055.17 h25 r90
C88: Bottom Pin Number "2" at 762.82,1058.1 h25 r180; Bottom Pin Number "1" at 792.34,1058.1 h25 r180
C89: Bottom Pin Number "2" at 763.49,1234 h25 r180; Bottom Pin Number "1" at 793.01,1234 h25 r180
C105: Bottom Pin Number "2" at 86.19,842.36 h25 r90; Bottom Pin Number "1" at 86.19,812.84 h25 r90
C106: Bottom Pin Number "2" at 54.89,1340.66 h25 r90; Bottom Pin Number "1" at 54.89,1311.14 h25 r90
C108: Bottom Pin Number "2" at 148.58,1290.59 h25 r90; Bottom Pin Number "1" at 148.58,1261.07 h25 r90
C109: Bottom Pin Number "2" at 298.93,1319.75 h25 r90; Bottom Pin Number "1" at 298.93,1290.23 h25 r90
C110: Bottom Pin Number "2" at 242.89,1323.14 h25 r270; Bottom Pin Number "1" at 242.89,1352.66 h25 r270
C111: Bottom Pin Number "2" at 343,1199.41 h25 r90; Bottom Pin Number "1" at 343,1169.89 h25 r90
C112: Bottom Pin Number "2" at 361.99,1434.05 h25; Bottom Pin Number "1" at 332.47,1434.05 h25
C113: Bottom Pin Number "2" at 460.89,1265.66 h25 r90; Bottom Pin Number "1" at 460.89,1236.14 h25 r90
C115: Bottom Pin Number "2" at 241.39,989.14 h25 r270; Bottom Pin Number "1" at 241.39,1018.66 h25 r270
C117: Bottom Pin Number "2" at 410.65,1132.9 h25; Bottom Pin Number "1" at 381.13,1132.9 h25
C118: Bottom Pin Number "2" at 346.54,1255.92 h25 r270; Bottom Pin Number "1" at 346.54,1285.44 h25 r270
C119: Bottom Pin Number "2" at 462.5,1101.45 h25 r270; Bottom Pin Number "1" at 462.5,1130.97 h25 r270
C130: Bottom Pin Number "2" at 1694.3,1258.95 h25 r90; Bottom Pin Number "1" at 1694.3,1229.43 h25 r90
C139: Bottom Designator "1" at 1916,1720.76 h25 r90; Bottom Designator "2" at 1916,1691.24 h25 r90
C234: Bottom Pin Number "2" at 1042.67,1173.08 h25 r180; Bottom Pin Number "1" at 1072.19,1173.08 h25 r180
C247: Bottom Pin Number "2" at 952.67,1189.1 h25 r90; Bottom Pin Number "1" at 952.67,1159.58 h25 r90
C260: Bottom Pin Number "2" at 520,209.76 h25 r90; Bottom Pin Number "1" at 520,180.24 h25 r90
C265: Bottom Pin Number "2" at 979.99,873.86 h25; Bottom Pin Number "1" at 950.47,873.86 h25
C266: Bottom Pin Number "2" at 80,1024.76 h25 r90; Bottom Pin Number "1" at 80,995.24 h25 r90
C275: Top Pin Number "2" at 625,494 h10 r90; Top Pin Number "1" at 625,554 h10 r90
C279: Top Pin Number "1" at 380,649 h10 r90; Top Pin Number "2" at 380,589 h10 r90
C281: Top Pin Number "1" at 679,360 h10; Top Pin Number "2" at 619,360 h10
C283: Top Pin Number "1" at 536,647 h10; Top Pin Number "2" at 476,647 h10
C285: Top Pin Number "1" at 685,554 h10 r90; Top Pin Number "2" at 685,494 h10 r90
C287: Top Pin Number "1" at 536,702 h10; Top Pin Number "2" at 476,702 h10
C295: Top Pin Number "1" at 679,440 h10; Top Pin Number "2" at 619,440 h10
C301: Top Pin Number "1" at 355,146 h10 r270; Top Pin Number "2" at 355,206 h10 r270
C303: Top Pin Number "1" at 685,256 h10 r270; Top Pin Number "2" at 685,316 h10 r270
C304: Top Pin Number "1" at 625,256 h10 r270; Top Pin Number "2" at 625,316 h10 r270
C306: Top Pin Number "1" at 365,319 h10 r90; Top Pin Number "2" at 365,259 h10 r90
C307: Top Pin Number "1" at 285,319 h10 r90; Top Pin Number "2" at 285,259 h10 r90
C311: Top Pin Number "1" at 469,165 h10; Top Pin Number "2" at 409,165 h10
C312: Top Pin Number "1" at 469,110 h10; Top Pin Number "2" at 409,110 h10
C316: Top Pin Number "1" at 489,560 h10; Top Pin Number "2" at 429,560 h10
C317: Top Pin Number "1" at 216,158 h10 r180; Top Pin Number "2" at 276,158 h10 r180
C324: Top Pin Number "1" at 311,715 h10 r180; Top Pin Number "2" at 371,715 h10 r180
C365: Top Pin Number "1" at 231,609 h10; Top Pin Number "2" at 171,609 h10
C401: Top Pin Number "2" at 889,505 h10; Top Pin Number "1" at 949,505 h10
C402: Top Pin Number "2" at 889,450 h10; Top Pin Number "1" at 949,450 h10
C403: Top Pin Number "2" at 994,450 h10; Top Pin Number "1" at 1054,450 h10
C404: Top Pin Number "2" at 1114.35,77.17 h10 r90; Top Pin Number "1" at 1114.35,137.17 h10 r90
COPYRIGHT_SMALL: Top Overlay "2020 NXP B.V." at 1010.92,401.2 h35; Top Value "copyright_small" at 1050.92,465.2 h31
D1: Top Overlay "C" at 1591.96,1681.87 h15 r180; Top Overlay "A" at 1597.45,1801.86 h15 r180
J4: Board Layer Stack Bottom Overlay "1" at 543.89,1813.9 h15 r90; Board Layer Stack Bottom Overlay "2" at 543.89,1988.9 h15 r90; Board Layer Stack Bottom Overlay "99" at 1323.21,1807.3 h15 r90; Board Layer Stack Bottom Overlay "100" at 1318.89,2008.9 h15 r90